# KiCad board EVE-3A keyboard.kicad_pcb
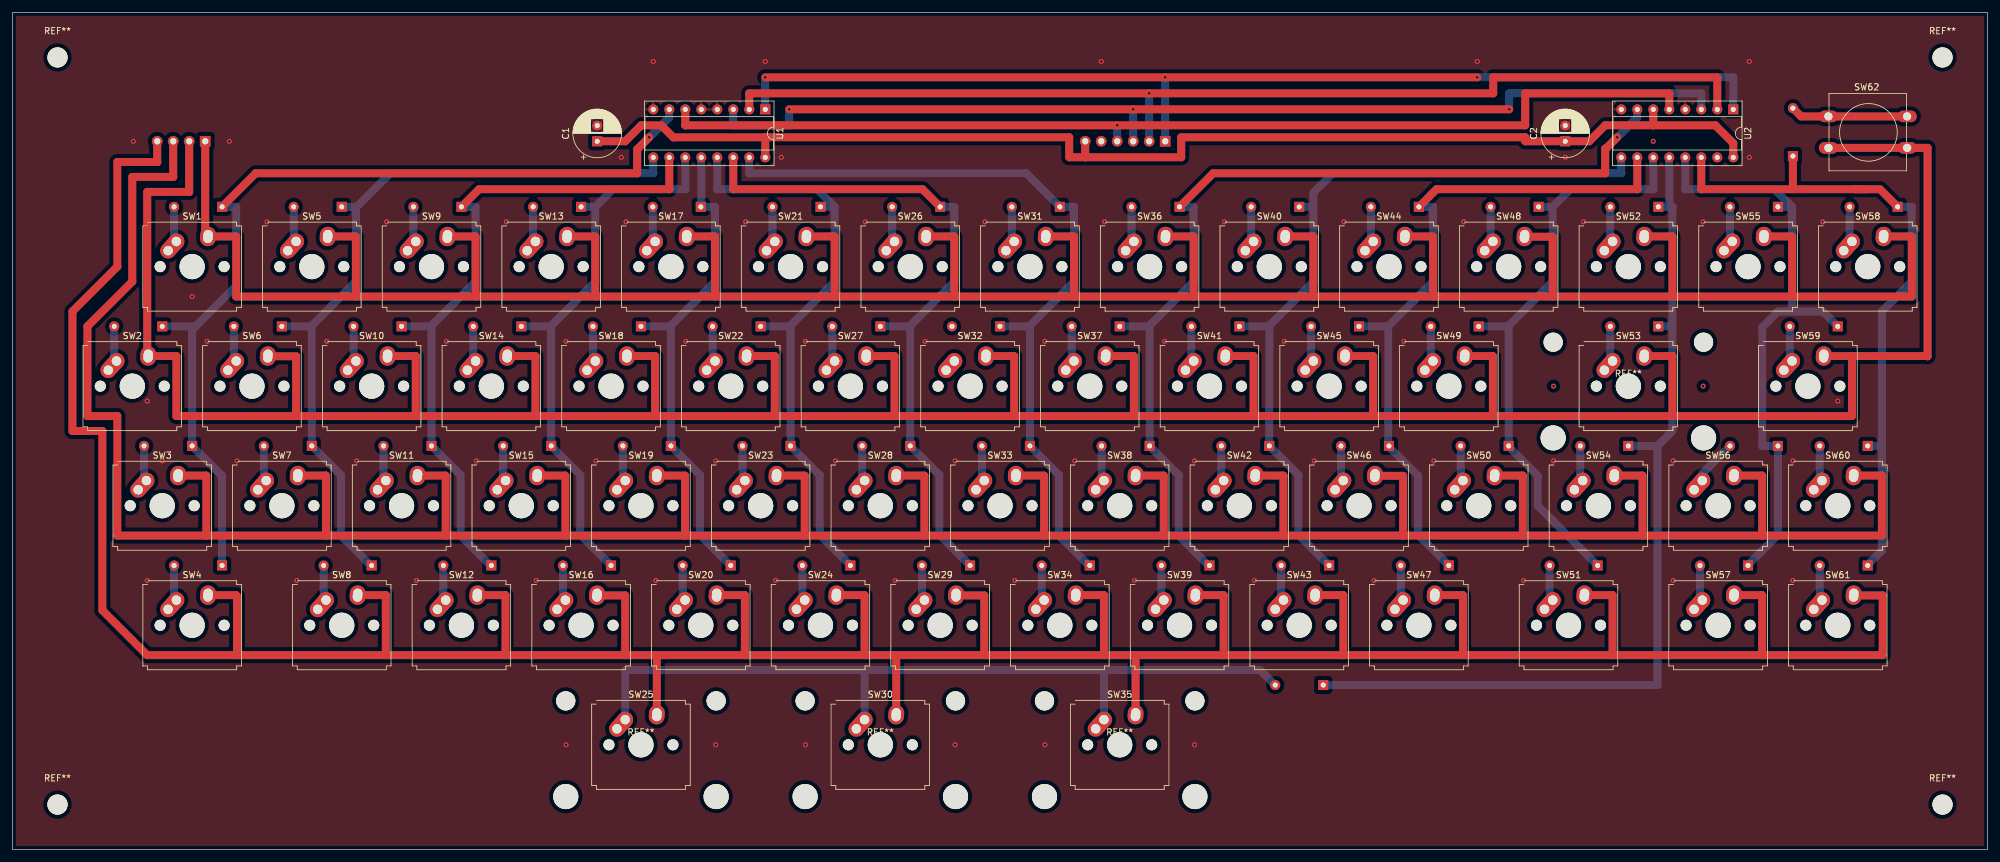
[diagram p0: board, top side]
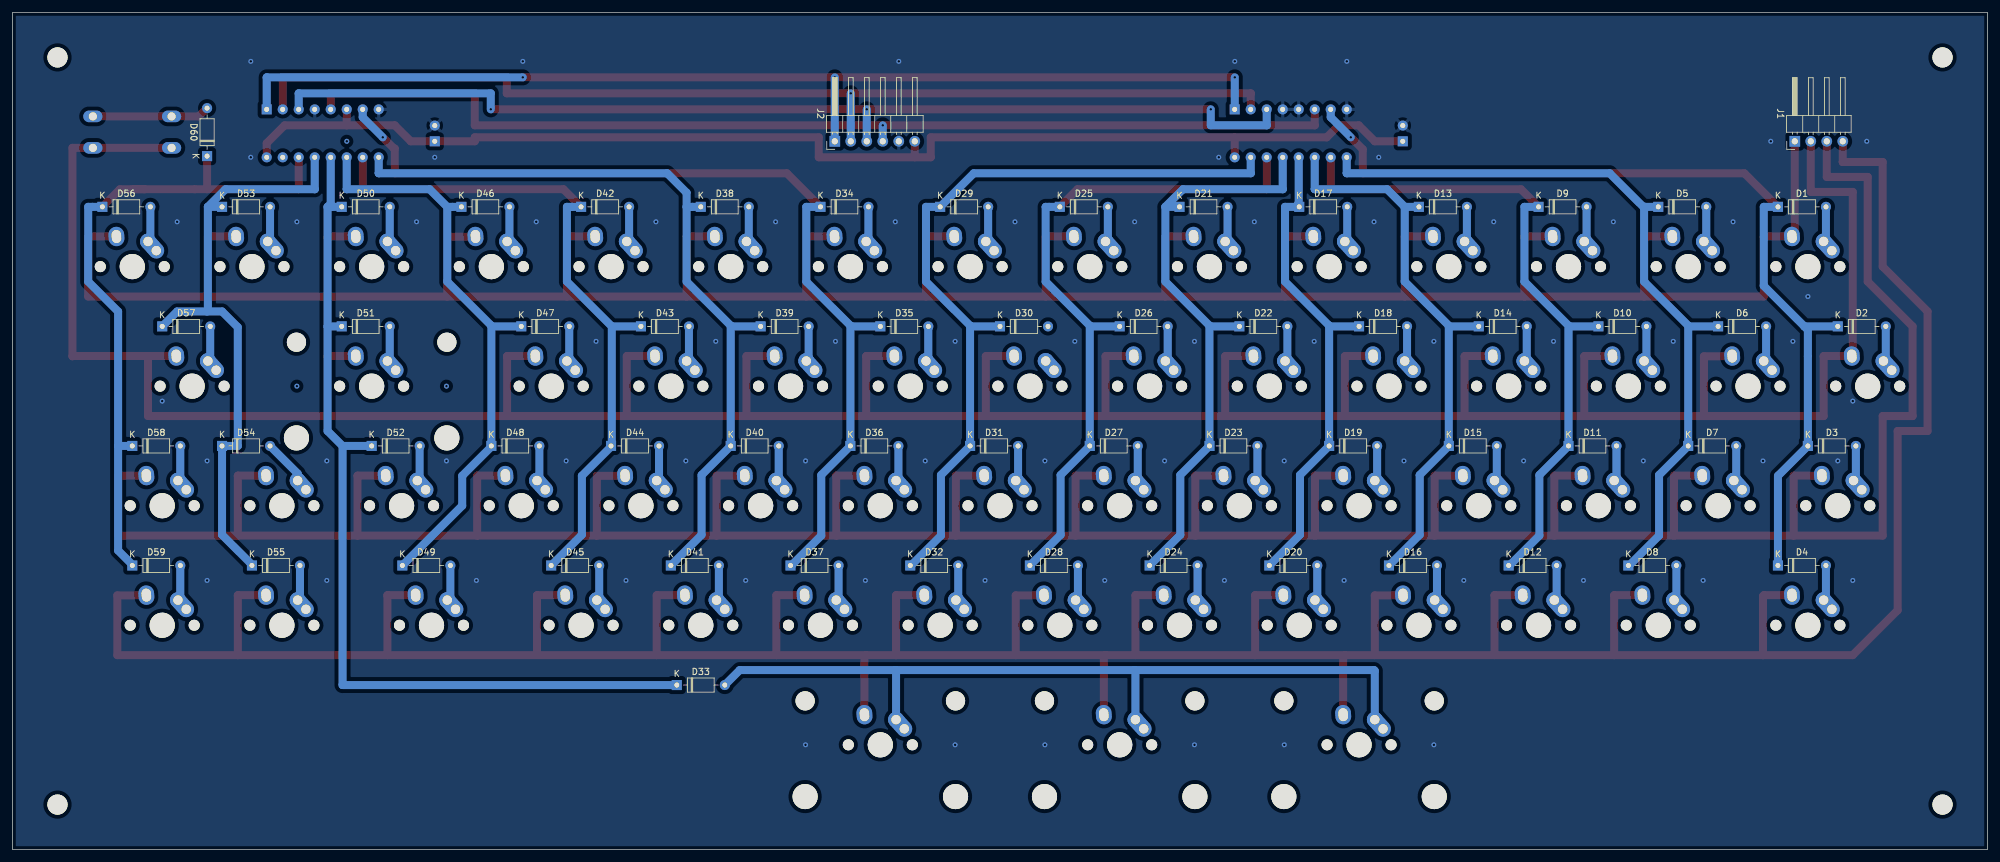
[diagram p1: board, bottom side, seen from below]

Outline 313.5 x 133 mm; copper layers: Top, Bottom. Coordinates in mm from the lower left corner of the outline.
Outline path: 0,133 0,0 313.5,0 313.5,133 0,133
Stack: Top 0.035mm / dielectric 1.51mm FR4 er 4.5 / Bottom 0.035mm

## Placement (name value [footprint] x y rotation side)
C1  C_Polarized  [CP_Radial_D7.5mm_P2.50mm]  92.81 112.54 90 top
C2  C_Polarized  [CP_Radial_D7.5mm_P2.50mm]  246.48 112.54 90 top
D1  1N4148  [D_DO-35_SOD27_P7.62mm_Horizontal]  33.25 102.12 180 bottom
D2  1N4148  [D_DO-35_SOD27_P7.62mm_Horizontal]  23.75 83.12 180 bottom
D3  1N4148  [D_DO-35_SOD27_P7.62mm_Horizontal]  28.5 64.12 180 bottom
D4  1N4148  [D_DO-35_SOD27_P7.62mm_Horizontal]  33.25 45.12 180 bottom
D5  1N4148  [D_DO-35_SOD27_P7.62mm_Horizontal]  52.25 102.12 180 bottom
D6  1N4148  [D_DO-35_SOD27_P7.62mm_Horizontal]  42.75 83.12 180 bottom
D7  1N4148  [D_DO-35_SOD27_P7.62mm_Horizontal]  47.5 64.12 180 bottom
D8  1N4148  [D_DO-35_SOD27_P7.62mm_Horizontal]  57 45.12 180 bottom
D9  1N4148  [D_DO-35_SOD27_P7.62mm_Horizontal]  71.25 102.12 180 bottom
D10  1N4148  [D_DO-35_SOD27_P7.62mm_Horizontal]  61.75 83.12 180 bottom
D11  1N4148  [D_DO-35_SOD27_P7.62mm_Horizontal]  66.5 64.12 180 bottom
D12  1N4148  [D_DO-35_SOD27_P7.62mm_Horizontal]  76 45.12 180 bottom
D13  1N4148  [D_DO-35_SOD27_P7.62mm_Horizontal]  90.25 102.12 180 bottom
D14  1N4148  [D_DO-35_SOD27_P7.62mm_Horizontal]  80.75 83.12 180 bottom
D15  1N4148  [D_DO-35_SOD27_P7.62mm_Horizontal]  85.5 64.12 180 bottom
D16  1N4148  [D_DO-35_SOD27_P7.62mm_Horizontal]  95 45.12 180 bottom
D17  1N4148  [D_DO-35_SOD27_P7.62mm_Horizontal]  109.25 102.12 180 bottom
D18  1N4148  [D_DO-35_SOD27_P7.62mm_Horizontal]  99.75 83.12 180 bottom
D19  1N4148  [D_DO-35_SOD27_P7.62mm_Horizontal]  104.5 64.12 180 bottom
D20  1N4148  [D_DO-35_SOD27_P7.62mm_Horizontal]  114 45.12 180 bottom
D21  1N4148  [D_DO-35_SOD27_P7.62mm_Horizontal]  128.25 102.12 180 bottom
D22  1N4148  [D_DO-35_SOD27_P7.62mm_Horizontal]  118.75 83.12 180 bottom
D23  1N4148  [D_DO-35_SOD27_P7.62mm_Horizontal]  123.5 64.12 180 bottom
D24  1N4148  [D_DO-35_SOD27_P7.62mm_Horizontal]  133 45.12 180 bottom
D25  1N4148  [D_DO-35_SOD27_P7.62mm_Horizontal]  147.25 102.12 180 bottom
D26  1N4148  [D_DO-35_SOD27_P7.62mm_Horizontal]  137.75 83.12 180 bottom
D27  1N4148  [D_DO-35_SOD27_P7.62mm_Horizontal]  142.5 64.12 180 bottom
D28  1N4148  [D_DO-35_SOD27_P7.62mm_Horizontal]  152 45.12 180 bottom
D29  1N4148  [D_DO-35_SOD27_P7.62mm_Horizontal]  166.25 102.12 180 bottom
D30  1N4148  [D_DO-35_SOD27_P7.62mm_Horizontal]  156.75 83.12 180 bottom
D31  1N4148  [D_DO-35_SOD27_P7.62mm_Horizontal]  161.5 64.12 180 bottom
D32  1N4148  [D_DO-35_SOD27_P7.62mm_Horizontal]  171 45.12 180 bottom
D33  1N4148  [D_DO-35_SOD27_P7.62mm_Horizontal]  208.06 26.12 180 bottom
D34  1N4148  [D_DO-35_SOD27_P7.62mm_Horizontal]  185.25 102.12 180 bottom
D35  1N4148  [D_DO-35_SOD27_P7.62mm_Horizontal]  175.75 83.12 180 bottom
D36  1N4148  [D_DO-35_SOD27_P7.62mm_Horizontal]  180.5 64.12 180 bottom
D37  1N4148  [D_DO-35_SOD27_P7.62mm_Horizontal]  190 45.12 180 bottom
D38  1N4148  [D_DO-35_SOD27_P7.62mm_Horizontal]  204.25 102.12 180 bottom
D39  1N4148  [D_DO-35_SOD27_P7.62mm_Horizontal]  194.75 83.12 180 bottom
D40  1N4148  [D_DO-35_SOD27_P7.62mm_Horizontal]  199.5 64.12 180 bottom
D41  1N4148  [D_DO-35_SOD27_P7.62mm_Horizontal]  209 45.12 180 bottom
D42  1N4148  [D_DO-35_SOD27_P7.62mm_Horizontal]  223.25 102.12 180 bottom
D43  1N4148  [D_DO-35_SOD27_P7.62mm_Horizontal]  213.75 83.12 180 bottom
D44  1N4148  [D_DO-35_SOD27_P7.62mm_Horizontal]  218.5 64.12 180 bottom
D45  1N4148  [D_DO-35_SOD27_P7.62mm_Horizontal]  228 45.12 180 bottom
D46  1N4148  [D_DO-35_SOD27_P7.62mm_Horizontal]  242.25 102.12 180 bottom
D47  1N4148  [D_DO-35_SOD27_P7.62mm_Horizontal]  232.75 83.12 180 bottom
D48  1N4148  [D_DO-35_SOD27_P7.62mm_Horizontal]  237.5 64.12 180 bottom
D49  1N4148  [D_DO-35_SOD27_P7.62mm_Horizontal]  251.62 45.12 180 bottom
D50  1N4148  [D_DO-35_SOD27_P7.62mm_Horizontal]  261.25 102.12 180 bottom
D51  1N4148  [D_DO-35_SOD27_P7.62mm_Horizontal]  261.25 83.12 180 bottom
D52  1N4148  [D_DO-35_SOD27_P7.62mm_Horizontal]  256.5 64.12 180 bottom
D53  1N4148  [D_DO-35_SOD27_P7.62mm_Horizontal]  280.25 102.12 180 bottom
D54  1N4148  [D_DO-35_SOD27_P7.62mm_Horizontal]  280.25 64.12 180 bottom
D55  1N4148  [D_DO-35_SOD27_P7.62mm_Horizontal]  275.5 45.12 180 bottom
D56  1N4148  [D_DO-35_SOD27_P7.62mm_Horizontal]  299.25 102.12 180 bottom
D57  1N4148  [D_DO-35_SOD27_P7.62mm_Horizontal]  289.75 83.12 180 bottom
D58  1N4148  [D_DO-35_SOD27_P7.62mm_Horizontal]  294.5 64.12 180 bottom
D59  1N4148  [D_DO-35_SOD27_P7.62mm_Horizontal]  294.5 45.12 180 bottom
D60  1N4148  [D_DO-35_SOD27_P7.62mm_Horizontal]  282.62 110.19 90 bottom
J1  Conn_01x04_Male  [PinHeader_1x04_P2.54mm_Horizontal]  30.58 112.54 90 bottom
J2  Conn_01x06_Male  [PinHeader_1x06_P2.54mm_Horizontal]  182.98 112.54 90 bottom
REF**  -  [MountingHole_3.2mm_M3]  306.38 125.88 0 top
REF**#2  -  [Stabilizer_Cherry_MX_2.00u]  99.75 16.62 0 top
REF**#3  -  [MountingHole_3.2mm_M3]  306.38 7.12 0 top
REF**#4  -  [Stabilizer_Cherry_MX_2.00u]  175.75 16.62 0 top
REF**#5  -  [Stabilizer_Cherry_MX_2.00u]  137.75 16.62 0 top
REF**#6  -  [MountingHole_3.2mm_M3]  7.12 125.88 0 top
REF**#7  -  [Stabilizer_Cherry_MX_2.00u]  256.5 73.62 0 top
REF**#8  -  [MountingHole_3.2mm_M3]  7.12 7.12 0 top
SW1  1  [SW_Hybrid_Cherry_MX_Alps_1.00u]  28.5 92.62 0 top
SW2  Esc  [SW_Hybrid_Cherry_MX_Alps_1.00u]  19 73.62 0 top
SW3  Ctrl  [SW_Hybrid_Cherry_MX_Alps_1.00u]  23.75 54.62 0 top
SW4  ShiftL  [SW_Hybrid_Cherry_MX_Alps_1.50u]  28.5 35.62 0 top
SW5  2  [SW_Hybrid_Cherry_MX_Alps_1.00u]  47.5 92.62 0 top
SW6  Q  [SW_Hybrid_Cherry_MX_Alps_1.00u]  38 73.62 0 top
SW7  A  [SW_Hybrid_Cherry_MX_Alps_1.00u]  42.75 54.62 0 top
SW8  Z  [SW_Hybrid_Cherry_MX_Alps_1.00u]  52.25 35.62 0 top
SW9  3  [SW_Hybrid_Cherry_MX_Alps_1.00u]  66.5 92.62 0 top
SW10  W  [SW_Hybrid_Cherry_MX_Alps_1.00u]  57 73.62 0 top
SW11  S  [SW_Hybrid_Cherry_MX_Alps_1.00u]  61.75 54.62 0 top
SW12  X  [SW_Hybrid_Cherry_MX_Alps_1.00u]  71.25 35.62 0 top
SW13  4  [SW_Hybrid_Cherry_MX_Alps_1.00u]  85.5 92.62 0 top
SW14  E  [SW_Hybrid_Cherry_MX_Alps_1.00u]  76 73.62 0 top
SW15  D  [SW_Hybrid_Cherry_MX_Alps_1.00u]  80.75 54.62 0 top
SW16  C  [SW_Hybrid_Cherry_MX_Alps_1.00u]  90.25 35.62 0 top
SW17  5  [SW_Hybrid_Cherry_MX_Alps_1.00u]  104.5 92.62 0 top
SW18  R  [SW_Hybrid_Cherry_MX_Alps_1.00u]  95 73.62 0 top
SW19  F  [SW_Hybrid_Cherry_MX_Alps_1.00u]  99.75 54.62 0 top
SW20  V  [SW_Hybrid_Cherry_MX_Alps_1.00u]  109.25 35.62 0 top
SW21  6  [SW_Hybrid_Cherry_MX_Alps_1.00u]  123.5 92.62 0 top
SW22  T  [SW_Hybrid_Cherry_MX_Alps_1.00u]  114 73.62 0 top
SW23  G  [SW_Hybrid_Cherry_MX_Alps_1.00u]  118.75 54.62 0 top
SW24  B  [SW_Hybrid_Cherry_MX_Alps_1.00u]  128.25 35.62 0 top
SW25  Space  [SW_Hybrid_Cherry_MX_Alps_2.00u]  99.75 16.62 0 top
SW26  7  [SW_Hybrid_Cherry_MX_Alps_1.00u]  142.5 92.62 0 top
SW27  Y  [SW_Hybrid_Cherry_MX_Alps_1.00u]  133 73.62 0 top
SW28  H  [SW_Hybrid_Cherry_MX_Alps_1.00u]  137.75 54.62 0 top
SW29  N  [SW_Hybrid_Cherry_MX_Alps_1.00u]  147.25 35.62 0 top
SW30  Space  [SW_Hybrid_Cherry_MX_Alps_2.00u]  137.75 16.62 0 top
SW31  8  [SW_Hybrid_Cherry_MX_Alps_1.00u]  161.5 92.62 0 top
SW32  U  [SW_Hybrid_Cherry_MX_Alps_1.00u]  152 73.62 0 top
SW33  J  [SW_Hybrid_Cherry_MX_Alps_1.00u]  156.75 54.62 0 top
SW34  M  [SW_Hybrid_Cherry_MX_Alps_1.00u]  166.25 35.62 0 top
SW35  Space  [SW_Hybrid_Cherry_MX_Alps_2.00u]  175.75 16.62 0 top
SW36  9  [SW_Hybrid_Cherry_MX_Alps_1.00u]  180.5 92.62 0 top
SW37  I  [SW_Hybrid_Cherry_MX_Alps_1.00u]  171 73.62 0 top
SW38  K  [SW_Hybrid_Cherry_MX_Alps_1.00u]  175.75 54.62 0 top
SW39  ,  [SW_Hybrid_Cherry_MX_Alps_1.00u]  185.25 35.62 0 top
SW40  0  [SW_Hybrid_Cherry_MX_Alps_1.00u]  199.5 92.62 0 top
SW41  O  [SW_Hybrid_Cherry_MX_Alps_1.00u]  190 73.62 0 top
SW42  L  [SW_Hybrid_Cherry_MX_Alps_1.00u]  194.75 54.62 0 top
SW43  .  [SW_Hybrid_Cherry_MX_Alps_1.00u]  204.25 35.62 0 top
SW44  :  [SW_Hybrid_Cherry_MX_Alps_1.00u]  218.5 92.62 0 top
SW45  P  [SW_Hybrid_Cherry_MX_Alps_1.00u]  209 73.62 0 top
SW46  ;  [SW_Hybrid_Cherry_MX_Alps_1.00u]  213.75 54.62 0 top
SW47  /  [SW_Hybrid_Cherry_MX_Alps_1.00u]  223.25 35.62 0 top
SW48  - =  [SW_Hybrid_Cherry_MX_Alps_1.00u]  237.5 92.62 0 top
SW49  LineFeed  [SW_Hybrid_Cherry_MX_Alps_1.00u]  228 73.62 0 top
SW50  @  [SW_Hybrid_Cherry_MX_Alps_1.00u]  232.75 54.62 0 top
SW51  ShiftR  [SW_Hybrid_Cherry_MX_Alps_1.50u]  247 35.62 0 top
SW52  [  [SW_Hybrid_Cherry_MX_Alps_1.00u]  256.5 92.62 0 top
SW53  Enter  [SW_Hybrid_Cherry_MX_Alps_2.00u]  256.5 73.62 0 top
SW54  \  [SW_Hybrid_Cherry_MX_Alps_1.00u]  251.75 54.62 0 top
SW55  ]  [SW_Hybrid_Cherry_MX_Alps_1.00u]  275.5 92.62 0 top
SW56  _ Rub  [SW_Hybrid_Cherry_MX_Alps_1.00u]  270.75 54.62 0 top
SW57  Repeat  [SW_Hybrid_Cherry_MX_Alps_1.00u]  270.75 35.62 0 top
SW58  ^ ~ Home  [SW_Hybrid_Cherry_MX_Alps_1.00u]  294.5 92.62 0 top
SW59  Here Is  [SW_Hybrid_Cherry_MX_Alps_1.00u]  285 73.62 0 top
SW60  Break  [SW_Hybrid_Cherry_MX_Alps_1.00u]  289.75 54.62 0 top
SW61  Clear  [SW_Hybrid_Cherry_MX_Alps_1.00u]  289.75 35.62 0 top
SW62  Special  [SW_PUSH-12mm]  288.26 116.5 0 top
U1  74LS138  [DIP-16_W7.62mm_Socket]  119.49 117.61 270 top
U2  74LS138  [DIP-16_W7.62mm_Socket]  273.16 117.61 270 top

## Footprints (pads in the part's own frame, mm; a bottom-side part is the same pattern mirrored in y, then rotated)
CP_Radial_D7.5mm_P2.50mm
  rect 1.6x1.6 hole 0.8: 1(0,0)
  round 1.6 hole 0.8: 2(2.5,0)
D_DO-35_SOD27_P7.62mm_Horizontal
  rect 1.6x1.6 hole 0.8: 1(0,0)
  oval 1.6x1.6 hole 0.8: 2(7.62,0)
DIP-16_W7.62mm_Socket
  rect 1.6x1.6 hole 0.8: 1(0,0)
  oval 1.6x1.6 hole 0.8: 2(0,-2.54) 3(0,-5.08) 4(0,-7.62) 5(0,-10.16) 6(0,-12.7) 7(0,-15.24) 8(0,-17.78) 9(7.62,-17.78) 10(7.62,-15.24) 11(7.62,-12.7) 12(7.62,-10.16) 13(7.62,-7.62) 14(7.62,-5.08) 15(7.62,-2.54) 16(7.62,0)
MountingHole_3.2mm_M3
  round 3.2 hole 3.2 unplated: (0,0)
PinHeader_1x04_P2.54mm_Horizontal
  rect 1.7x1.7 hole 1: 1(0,0)
  oval 1.7x1.7 hole 1: 2(0,-2.54) 3(0,-5.08) 4(0,-7.62)
PinHeader_1x06_P2.54mm_Horizontal
  rect 1.7x1.7 hole 1: 1(0,0)
  oval 1.7x1.7 hole 1: 2(0,-2.54) 3(0,-5.08) 4(0,-7.62) 5(0,-10.16) 6(0,-12.7)
Stabilizer_Cherry_MX_2.00u
  round 3.048 hole 3.048 unplated: (-11.938,6.985) (11.938,6.985)
  round 3.988 hole 3.988 unplated: (-11.938,-8.225) (11.938,-8.225)
SW_Hybrid_Cherry_MX_Alps_1.00u
  round 1.75 hole 1.75 unplated: (-5.08,0) (5.08,0)
  round 1.55 smd: (-3.81,2.54) (-2.5,4)
  round 4 hole 4 unplated: (0,0)
  oval 2.131x1.55 smd rot 86: (2.52,4.79)
  oval 4.462x2.5 hole 1.5 rot 48: 1(-3.81,2.54)
  round 2.5 hole 1.5: 1(-2.5,4)
  oval 3.081x2.5 hole 2.081x1.5 rot 86: 2(2.52,4.79)
SW_Hybrid_Cherry_MX_Alps_1.50u
  round 1.75 hole 1.75 unplated: (-5.08,0) (5.08,0)
  round 1.55 smd: (-3.81,2.54) (-2.5,4)
  round 4 hole 4 unplated: (0,0)
  oval 2.131x1.55 smd rot 86: (2.52,4.79)
  oval 4.462x2.5 hole 1.5 rot 48: 1(-3.81,2.54)
  round 2.5 hole 1.5: 1(-2.5,4)
  oval 3.081x2.5 hole 2.081x1.5 rot 86: 2(2.52,4.79)
SW_Hybrid_Cherry_MX_Alps_2.00u
  round 1.75 hole 1.75 unplated: (-5.08,0) (5.08,0)
  round 1.55 smd: (-3.81,2.54) (-2.5,4)
  round 4 hole 4 unplated: (0,0)
  oval 2.131x1.55 smd rot 86: (2.52,4.79)
  oval 4.462x2.5 hole 1.5 rot 48: 1(-3.81,2.54)
  round 2.5 hole 1.5: 1(-2.5,4)
  oval 3.081x2.5 hole 2.081x1.5 rot 86: 2(2.52,4.79)
SW_PUSH-12mm
  oval 3.048x1.85 hole 1.3: 1(0,0) 1(12.5,0) 2(0,-5) 2(12.5,-5)

## Nets
+3V3: C1.1 C2.1 J2.6 U1.16 U2.6 U2.16
GND: C1.2 C2.2 J2.5 U1.4 U1.5 U1.8 U2.4 U2.8
C0: J2.1 U1.1 U2.1
C1: J2.2 U1.2 U2.2
C2: J2.3 U1.3 U2.3
C3: J2.4 U1.6 U2.5
R0: J1.1 SW1.2 SW5.2 SW9.2 SW13.2 SW17.2 SW21.2 SW26.2 SW31.2 SW36.2 SW40.2 SW44.2 SW48.2 SW52.2 SW55.2 SW58.2
R1: J1.2 SW2.2 SW6.2 SW10.2 SW14.2 SW18.2 SW22.2 SW27.2 SW32.2 SW37.2 SW41.2 SW45.2 SW49.2 SW53.2 SW59.2 SW62.2
R2: J1.3 SW3.2 SW7.2 SW11.2 SW15.2 SW19.2 SW23.2 SW28.2 SW33.2 SW38.2 SW42.2 SW46.2 SW50.2 SW54.2 SW56.2 SW60.2
R3: J1.4 SW4.2 SW8.2 SW12.2 SW16.2 SW20.2 SW24.2 SW25.2 SW29.2 SW30.2 SW34.2 SW35.2 SW39.2 SW43.2 SW47.2 SW51.2 SW57.2 SW61.2
Net-(D1-Pad1): D1.1 D2.1 D3.1 D4.1 U1.7
Net-(D1-Pad2): D1.2 SW1.1
Net-(D2-Pad2): D2.2 SW2.1
Net-(D3-Pad2): D3.2 SW3.1
Net-(D4-Pad2): D4.2 SW4.1
Net-(D5-Pad1): D5.1 D6.1 D7.1 D8.1 U1.9
Net-(D5-Pad2): D5.2 SW5.1
Net-(D6-Pad2): D6.2 SW6.1
Net-(D7-Pad2): D7.2 SW7.1
Net-(D8-Pad2): D8.2 SW8.1
Net-(D9-Pad2): D9.2 SW9.1
Net-(D10-Pad1): D9.1 D10.1 D11.1 D12.1 U1.10
Net-(D10-Pad2): D10.2 SW10.1
Net-(D11-Pad2): D11.2 SW11.1
Net-(D12-Pad2): D12.2 SW12.1
Net-(D13-Pad1): D13.1 D14.1 D15.1 D16.1 U1.11
Net-(D13-Pad2): D13.2 SW13.1
Net-(D14-Pad2): D14.2 SW14.1
Net-(D15-Pad2): D15.2 SW15.1
Net-(D16-Pad2): D16.2 SW16.1
Net-(D17-Pad1): D17.1 D18.1 D19.1 D20.1 U1.12
Net-(D17-Pad2): D17.2 SW17.1
Net-(D18-Pad2): D18.2 SW18.1
Net-(D19-Pad2): D19.2 SW19.1
Net-(D20-Pad2): D20.2 SW20.1
Net-(D21-Pad1): D21.1 D22.1 D23.1 D24.1 U1.13
Net-(D21-Pad2): D21.2 SW21.1
Net-(D22-Pad2): D22.2 SW22.1
Net-(D23-Pad2): D23.2 SW23.1
Net-(D24-Pad2): D24.2 SW24.1
Net-(D25-Pad1): D25.1 D26.1 D27.1 D28.1 U1.14
Net-(D25-Pad2): D25.2 SW26.1
Net-(D26-Pad2): D26.2 SW27.1
Net-(D27-Pad2): D27.2 SW28.1
Net-(D28-Pad2): D28.2 SW29.1
Net-(D29-Pad1): D29.1 D30.1 D31.1 D32.1 U1.15
Net-(D29-Pad2): D29.2 SW31.1
Net-(D30-Pad2): D30.2 SW32.1
Net-(D31-Pad2): D31.2 SW33.1
Net-(D32-Pad2): D32.2 SW34.1
Net-(D33-Pad1): D33.1 D50.1 D51.1 D52.1 U2.12
Net-(D33-Pad2): D33.2 SW25.1 SW30.1 SW35.1
Net-(D34-Pad1): D34.1 D35.1 D36.1 D37.1 U2.7
Net-(D34-Pad2): D34.2 SW36.1
Net-(D35-Pad2): D35.2 SW37.1
Net-(D36-Pad2): D36.2 SW38.1
Net-(D37-Pad2): D37.2 SW39.1
Net-(D38-Pad1): D38.1 D39.1 D40.1 D41.1 U2.9
Net-(D38-Pad2): D38.2 SW40.1
Net-(D39-Pad2): D39.2 SW41.1
Net-(D40-Pad2): D40.2 SW42.1
Net-(D41-Pad2): D41.2 SW43.1
Net-(D42-Pad1): D42.1 D43.1 D44.1 D45.1 U2.10
Net-(D42-Pad2): D42.2 SW44.1
Net-(D43-Pad2): D43.2 SW45.1
Net-(D44-Pad2): D44.2 SW46.1
Net-(D45-Pad2): D45.2 SW47.1
Net-(D46-Pad1): D46.1 D47.1 D48.1 D49.1 U2.11
Net-(D46-Pad2): D46.2 SW48.1
Net-(D47-Pad2): D47.2 SW49.1
Net-(D48-Pad2): D48.2 SW50.1
Net-(D49-Pad2): D49.2 SW51.1
Net-(D50-Pad2): D50.2 SW52.1
Net-(D51-Pad2): D51.2 SW53.1
Net-(D52-Pad2): D52.2 SW54.1
Net-(D53-Pad1): D53.1 D54.1 D55.1 D57.1 U2.13
Net-(D53-Pad2): D53.2 SW55.1
Net-(D54-Pad2): D54.2 SW56.1
Net-(D55-Pad2): D55.2 SW57.1
Net-(D56-Pad1): D56.1 D58.1 D59.1 D60.1 U2.14
Net-(D56-Pad2): D56.2 SW58.1
Net-(D57-Pad2): D57.2 SW59.1
Net-(D58-Pad2): D58.2 SW60.1
Net-(D59-Pad2): D59.2 SW61.1
Net-(D60-Pad2): D60.2 SW62.1

Pads without a net: U2 15

## Via types
v1: diameter 0.8, hole 0.4, Top to Bottom, 87 vias

## Routing (per net, layer and track width the routed paths; a pad name or vN(x,y) marks a point on that pad's centre or on a via; arc(x,y) is an arc through that point)
+3V3: length 201.9
  Top w1.27: 260.46,115.09 260.45,115.09 270.31,115.09 273.16,112.24 U2.16 ; 260.46,115.09 U2.6 ; 260.46,115.09 252.84,115.09 250.29,112.54 C2.1 240.13,112.54 240.13,113.18 185.52,113.18 185.52,110 170.28,110 ; 170.28,110 J2.6 ; 170.28,110 167.74,110 167.74,113.18 119.48,113.18 119.49,113.17 ; 119.49,113.17 U1.16 ; 119.49,113.17 104.88,113.17 102.97,115.09 99.79,115.09 97.25,112.54 C1.1
GND:
  vias: v1(19.15,112.54) v1(21.38,71.25) v1(21.38,42.75) v1(23.75,61.75) v1(28.5,87.88) v1(30.88,80.75) v1(34.39,112.54) v1(35.62,61.75) v1(40.38,99.75) v1(45.12,42.75) v1(49.88,80.75) v1(54.62,61.75) v1(59.38,99.75) v1(64.12,42.75) v1(68.88,80.75) v1(73.62,61.75) v1(78.38,99.75) v1(83.12,42.75) v1(87.88,80.75) v1(87.88,16.62) v1(92.62,61.75) v1(96.62,110) v1(97.38,99.75) v1(101.7,125.25) v1(102.12,42.75) v1(106.88,80.75) v1(111.62,61.75) v1(111.62,16.62) v1(116.38,99.75) v1(119.48,125.25) v1(121.12,42.75) v1(122.02,110) v1(125.88,80.75) v1(125.88,16.62) v1(130.62,61.75) v1(135.38,99.75) v1(140.12,42.75) v1(144.88,80.75) v1(149.62,61.75) v1(149.62,16.62) v1(154.38,99.75) v1(159.12,42.75) v1(163.88,80.75) v1(163.88,16.62) v1(168.62,61.75) v1(172.82,125.25) v1(173.38,99.75) v1(178.12,42.75) v1(182.88,80.75) v1(187.62,61.75) v1(187.62,16.62) v1(192.38,99.75) v1(197.12,42.75) v1(201.88,80.75) v1(206.62,61.75) v1(211.38,99.75) v1(216.12,42.75) v1(220.88,80.75) v1(225.62,61.75) v1(230.38,99.75) v1(232.51,125.25) v1(239.88,42.75) v1(244.62,61.75) v1(246.48,110) v1(249.38,99.75) v1(263.62,61.75) v1(263.62,42.75) v1(268.38,99.75) v1(275.69,125.25) v1(275.69,110) v1(282.62,61.75) v1(282.62,42.75) v1(287.38,99.75) v1(289.75,71.25)
(no net):
  vias: v1(244.62,73.62) v1(260.45,112.54) v1(268.38,73.62)
C0: length 174
  Top w1.27: v1(119.48,122.7) v1(182.98,122.7) v1(232.51,122.7)
  Bottom w1.27: v1(232.51,122.7) 273.15,122.7 273.16,122.69 U2.1 ; v1(119.48,122.7) 119.48,117.62 U1.1 ; J2.1 v1(182.98,122.7)
C1: length 171.5
  Top w1.27: U2.2 270.62,122.69 270.61,122.7 235.05,122.7 235.05,120.17 v1(180.44,120.17) 116.94,120.17 116.95,120.16 116.95,117.61
  Bottom w1.27: J2.2 v1(180.44,120.17)
C2: length 168.9
  Top w1.27: v1(237.59,117.62) v1(177.9,117.62) v1(123.29,117.62)
  Bottom w1.27: U1.3 114.41,115.09 114.4,115.09 123.29,115.09 v1(123.29,117.62) ; v1(237.59,117.62) 237.59,120.17 268.07,120.17 268.08,120.16 U2.3 ; v1(177.9,117.62) 177.9,112.54
C3: length 168.9
  Top w1.27: 106.79,117.61 106.79,115.09 106.78,115.09 v1(175.36,115.09) 240.13,115.09 240.13,120.17 262.99,120.17 263,120.16 U2.5
  Bottom w1.27: v1(175.36,115.09) 175.36,112.54
R0: length 491.3
  Top w1.27: SW9.2 73.46,97.41 73.5,97.38 73.5,87.88 ; 187.5,87.88 168.5,87.88 ; 187.5,87.88 187.5,97.38 187.46,97.41 SW36.2 ; 187.5,87.88 206.5,87.88 ; 168.5,87.88 149.5,87.88 ; 168.5,87.88 168.5,97.38 168.46,97.41 SW31.2 ; 130.5,87.88 111.5,87.88 ; 130.5,87.88 130.5,97.38 130.46,97.41 SW21.2 ; 130.5,87.88 149.5,87.88 ; 111.5,87.88 92.5,87.88 ; 111.5,87.88 111.5,97.38 111.46,97.41 SW17.2 ; SW58.2 301.46,97.41 301.5,97.38 301.5,87.88 282.5,87.88 ; 263.5,87.88 244.5,87.88 ; 263.5,87.88 282.5,87.88 ; 263.5,87.88 263.5,97.38 263.46,97.41 SW52.2 ; 244.5,87.88 225.5,87.88 ; 244.5,87.88 244.5,97.38 240.37,97.38 240.33,97.41 SW48.2 ; J1.1 30.58,97.85 SW1.2 35.46,97.41 35.5,97.38 35.5,87.88 54.5,87.88 ; 92.5,87.88 92.5,97.38 92.46,97.41 SW13.2 ; 92.5,87.88 73.5,87.88 ; 73.5,87.88 54.5,87.88 ; 54.5,87.88 54.5,97.38 54.46,97.41 SW5.2 ; SW44.2 225.46,97.41 225.5,97.38 225.5,87.88 ; 149.5,87.88 149.5,97.38 149.46,97.41 SW26.2 ; 282.5,87.88 282.5,97.38 282.46,97.41 SW55.2 ; 225.5,87.88 206.5,87.88 ; 206.5,87.88 206.5,97.38 206.46,97.41 SW40.2
R1: length 563.7
  Top w1.27: 178,68.88 159,68.88 ; 178,68.88 197,68.88 ; 178,68.88 178,78.38 177.96,78.41 SW37.2 ; 159,68.88 121,68.88 ; 159,68.88 159,78.38 158.96,78.41 SW32.2 ; SW59.2 291.96,78.41 ; 291.96,78.41 303.96,78.41 304,78.38 304,111.5 SW62.2 SW62.2 ; 291.96,78.41 292,78.38 292,68.88 263.5,68.88 ; 197,68.88 197,78.38 196.96,78.41 SW41.2 ; 197,68.88 216,68.88 ; 64,68.88 45,68.88 ; 64,68.88 64,78.38 63.96,78.41 SW10.2 ; 64,68.88 83,68.88 ; 45,68.88 26,68.88 26,78.38 25.96,78.41 SW2.2 21.38,78.56 21.38,104.5 28.04,104.5 28.04,112.54 ; 45,68.88 45,78.38 40.87,78.38 40.83,78.41 SW6.2 ; 83,68.88 83,78.38 82.96,78.41 SW14.2 ; 83,68.88 102,68.88 ; 121,68.88 121,78.38 120.96,78.41 SW22.2 ; 121,68.88 102,68.88 ; 102,68.88 102,78.38 101.96,78.41 SW18.2 ; 263.5,68.88 235,68.88 ; 263.5,68.88 263.5,78.38 263.46,78.41 SW53.2 ; 235,68.88 216,68.88 ; 235,68.88 235,78.38 234.96,78.41 SW49.2 ; 216,68.88 216,78.38 215.96,78.41 SW45.2 ; 140,68.88 140,78.38 139.96,78.41 SW27.2
R2: length 566.9
  Top w1.27: 182.75,49.88 182.75,59.38 182.71,59.41 SW38.2 ; 182.75,49.88 201.75,49.88 ; 182.75,49.88 163.75,49.88 ; SW33.2 163.71,59.41 163.75,59.38 163.75,49.88 ; 277.75,49.88 296.75,49.88 296.75,59.38 296.71,59.41 SW60.2 ; 277.75,49.88 258.75,49.88 ; 277.75,49.88 277.75,59.38 277.71,59.41 SW56.2 ; 49.75,49.88 49.75,59.38 49.71,59.41 SW7.2 ; 49.75,49.88 68.75,49.88 ; 49.75,49.88 30.75,49.88 ; SW19.2 106.71,59.41 106.75,59.38 106.75,49.88 ; 220.75,49.88 239.75,49.88 ; 220.75,49.88 220.75,59.38 216.62,59.38 216.58,59.41 SW46.2 ; 220.75,49.88 201.75,49.88 ; 239.75,49.88 239.75,59.38 239.71,59.41 SW50.2 ; 239.75,49.88 258.75,49.88 ; SW23.2 125.71,59.41 125.75,59.38 125.75,49.88 ; 258.75,49.88 258.75,59.38 258.71,59.41 SW54.2 ; 106.75,49.88 125.75,49.88 ; 106.75,49.88 87.75,49.88 ; 125.75,49.88 144.75,49.88 ; 30.75,49.88 30.75,59.38 30.71,59.41 SW3.2 ; 30.75,49.88 16.62,49.88 16.62,68.88 11.88,68.88 11.88,83.12 19,90.25 19,106.88 25.5,106.88 J1.3 ; 144.75,49.88 163.75,49.88 ; 144.75,49.88 144.75,59.38 144.71,59.41 SW28.2 ; 68.75,49.88 68.75,59.38 68.71,59.41 SW11.2 ; 68.75,49.88 87.75,49.88 ; 201.75,49.88 201.75,59.38 201.71,59.41 SW42.2 ; SW15.2 87.71,59.41 87.75,59.38 87.75,49.88
R3: length 599.1
  Top w1.27: 102,30.88 102.27,30.6 SW25.2 ; 102,30.88 116.25,30.88 ; 102,30.88 59.25,30.88 ; 178,30.88 178.27,30.6 SW35.2 ; 178,30.88 173.25,30.88 ; 178,30.88 192.25,30.88 ; 173.25,30.88 154.25,30.88 ; 173.25,30.88 173.25,40.38 173.21,40.41 SW34.2 ; 35.62,30.88 59.25,30.88 ; 35.62,30.88 35.62,40.25 35.46,40.41 SW4.2 31.06,40.38 ; 35.62,30.88 21.38,30.88 14.25,38 14.25,66.5 9.5,66.5 9.5,85.5 16.62,92.62 16.62,109.25 22.96,109.25 22.95,109.26 22.96,109.27 J1.4 ; 59.25,30.88 59.25,40.38 59.21,40.41 SW8.2 54.81,40.38 ; SW29.2 150.08,40.41 150.12,40.38 154.25,40.38 154.25,30.88 ; 116.25,30.88 116.25,40.38 116.21,40.41 SW20.2 ; 116.25,30.88 140,30.88 ; 277.75,30.88 277.75,40.38 277.71,40.41 SW57.2 ; 277.75,30.88 254,30.88 ; 277.75,30.88 296.88,30.88 296.88,40.38 292.31,40.38 SW61.2 ; 78.25,30.88 78.25,40.38 78.21,40.41 SW12.2 ; 211.25,30.88 254,30.88 ; 211.25,30.88 192.25,30.88 ; 211.25,30.88 211.25,40.38 211.21,40.41 SW43.2 ; 254,30.88 254,40.38 253.96,40.41 SW51.2 ; 154.25,30.88 140,30.88 ; 192.25,30.88 192.25,40.38 192.21,40.41 SW39.2 ; 135.25,30.88 135.25,40.38 135.21,40.41 SW24.2 ; SW30.2 140.27,30.6 140,30.88 ; SW47.2 230.21,40.41 230.25,40.38 230.25,30.88 ; 97.25,30.88 97.25,40.38 93.12,40.38 93.08,40.41 SW16.2
Net-(D1-Pad1): length 149.8
  Top w1.27: D1.1 38.59,107.47 99.16,107.47 99.16,111.28 v1(101.06,113.18)
  Bottom w1.27: U1.7 104.25,116.37 v1(101.06,113.18) ; D2.1 29.06,83.12 ; 29.06,83.12 28.5,82.57 D3.1 33.25,59.38 D4.1 ; 29.06,83.12 35.5,89.57 35.5,102.12 D1.1
Net-(D1-Pad2): length 5.7
  Bottom w1.27: D1.2 25.63,97 SW1.1
Net-(D2-Pad2): length 5.7
  Bottom w1.27: SW2.1 16.13,78 D2.2
Net-(D3-Pad2): length 5.7
  Bottom w1.27: D3.2 20.88,59 SW3.1
Net-(D4-Pad2): length 5.7
  Bottom w1.27: D4.2 25.63,40 SW4.1
Net-(D5-Pad1): length 123
  Bottom w1.27: U1.9 101.71,107.47 101.7,107.47 59.97,107.47 54.5,102 ; 54.5,102 54.5,102.12 ; 54.5,102 54.5,90.25 47.5,83.25 ; 54.5,102.12 54.5,102.18 ; 54.5,102.12 D5.1 ; D6.1 47.38,83.12 47.5,83.25 ; 47.5,83.25 D7.1 52.12,59.5 52.12,49.88 56.88,45.12 D8.1
Net-(D5-Pad2): length 5.7
  Bottom w1.27: D5.2 44.63,97 SW5.1
Net-(D6-Pad2): length 5.7
  Bottom w1.27: D6.2 35.13,78 SW6.1
Net-(D7-Pad2): length 5.7
  Bottom w1.27: D7.2 39.88,59 SW7.1
Net-(D8-Pad2): length 5.7
  Bottom w1.27: D8.2 49.38,40 SW8.1
Net-(D9-Pad2): length 5.7
  Bottom w1.27: SW9.1 63.63,97 D9.2
Net-(D10-Pad1): length 110.2
  Top w1.27: D9.1 74.05,104.93 104.24,104.93 104.25,104.94 U1.10
  Bottom w1.27: 66.5,83.25 66.38,83.12 D10.1 ; 66.5,83.25 D11.1 71.12,59.5 71.12,49.88 75.88,45.12 D12.1 ; 66.5,83.25 73.5,90.25 73.5,102.12 D9.1
Net-(D10-Pad2): length 5.7
  Bottom w1.27: SW10.1 54.13,78 D10.2
Net-(D11-Pad2): length 5.7
  Bottom w1.27: D11.2 58.88,59 SW11.1
Net-(D12-Pad2): length 5.7
  Bottom w1.27: SW12.1 68.38,40 D12.2
Net-(D13-Pad1): length 91.3
  Bottom w1.27: 85.38,83.12 85.5,83 D15.1 90.12,59.5 90.12,50 D16.1 ; 85.38,83.12 D14.1 ; 85.38,83.12 92.5,90.25 92.5,102.12 ; D13.1 92.5,102.12 ; 92.5,102.12 95.3,104.93 106.78,104.93 106.79,104.94 106.79,110
Net-(D13-Pad2): length 5.7
  Bottom w1.27: SW13.1 82.63,97 D13.2
Net-(D14-Pad2): length 5.7
  Bottom w1.27: SW14.1 73.13,78 D14.2
Net-(D15-Pad2): length 5.7
  Bottom w1.27: D15.2 77.88,59 SW15.1
Net-(D16-Pad2): length 5.7
  Bottom w1.27: D16.2 87.38,40 SW16.1
Net-(D17-Pad1): length 78.8
  Bottom w1.27: 104.5,83.25 111.5,90.25 111.5,102.12 D17.1 109.33,102.21 U1.12 ; 104.5,83.25 D19.1 109.12,59.5 109.12,50 D20.1 ; 104.5,83.25 104.38,83.12 D18.1
Net-(D17-Pad2): length 5.7
  Bottom w1.27: D17.2 101.63,97 SW17.1
Net-(D18-Pad2): length 5.7
  Bottom w1.27: D18.2 92.13,78 SW18.1
Net-(D19-Pad2): length 5.7
  Bottom w1.27: D19.2 96.88,59 SW19.1
Net-(D20-Pad2): length 5.7
  Bottom w1.27: D20.2 106.38,40 SW20.1
Net-(D21-Pad1): length 95.8
  Bottom w1.27: 123.5,83.25 123.38,83.12 D22.1 ; 123.5,83.25 D23.1 128.12,59.5 128.12,50 D24.1 ; 123.5,83.25 130.5,90.25 130.5,102.12 ; U1.13 111.87,104.94 111.86,104.93 127.7,104.93 130.5,102.12 ; 130.5,102.12 D21.1
Net-(D21-Pad2): length 5.7
  Bottom w1.27: SW21.1 120.63,97 D21.2
Net-(D22-Pad2): length 5.7
  Bottom w1.27: D22.2 111.13,78 SW22.1
Net-(D23-Pad2): length 5.7
  Bottom w1.27: D23.2 115.88,59 SW23.1
Net-(D24-Pad2): length 5.7
  Bottom w1.27: SW24.1 125.38,40 D24.2
Net-(D25-Pad1): length 110
  Top w1.27: D25.1 144.45,104.93 114.4,104.93 114.41,104.94 U1.14
  Bottom w1.27: 142.5,83.25 142.38,83.12 D26.1 ; 142.5,83.25 D27.1 147.12,59.5 147.12,50 D28.1 ; 142.5,83.25 149.5,90.25 149.5,102.12 D25.1
Net-(D25-Pad2): length 5.7
  Bottom w1.27: SW26.1 139.63,97 D25.2
Net-(D26-Pad2): length 5.7
  Bottom w1.27: D26.2 130.13,78 SW27.1
Net-(D27-Pad2): length 5.7
  Bottom w1.27: D27.2 134.88,59 SW28.1
Net-(D28-Pad2): length 5.7
  Bottom w1.27: SW29.1 144.38,40 D28.2
Net-(D29-Pad1): length 125
  Bottom w1.27: 161.5,83.25 168.5,90.25 168.5,102.12 D29.1 160.91,107.47 116.94,107.47 116.95,107.47 116.95,110 ; 161.5,83.25 161.38,83.12 D30.1 ; 161.5,83.25 D31.1 166.12,59.5 166.12,49.88 170.88,45.12 D32.1
Net-(D29-Pad2): length 5.7
  Bottom w1.27: SW31.1 158.63,97 D29.2
Net-(D31-Pad2): length 5.7
  Bottom w1.27: D31.2 153.88,59 SW33.1
Net-(D32-Pad2): length 5.7
  Bottom w1.27: D32.2 163.38,40 SW34.1
Net-(D33-Pad1): length 147.3
  Bottom w1.27: U2.12 263,102.62 263.5,102.12 ; D52.1 261.12,64.12 ; 261.12,64.12 263.5,66.5 263.5,83.12 ; 261.12,64.12 261.12,26.12 D33.1 ; 263.5,102.12 D50.1 ; 263.5,102.12 263.5,83.12 ; 263.5,83.12 D51.1
Net-(D33-Pad2): length 127.8
  Bottom w1.27: D33.2 198.06,28.5 173.38,28.5 ; SW30.1 135.25,28.38 135.38,28.5 ; SW25.1 97.25,28.38 97.38,28.5 135.38,28.5 ; 173.38,28.5 135.38,28.5 ; 173.38,28.5 173.25,28.38 SW35.1
Net-(D34-Pad1): length 153.1
  Top w1.27: D34.1 190.59,107.47 252.83,107.47 252.83,111.39 252.95,111.39 v1(254.74,113.18)
  Bottom w1.27: 180.5,83.25 187.5,90.25 187.5,102.12 D34.1 ; 180.5,83.25 D36.1 185.12,59.5 185.12,49.88 189.88,45.12 D37.1 ; 180.5,83.25 180.38,83.12 D35.1 ; U2.7 257.92,116.37 v1(254.74,113.18)
Net-(D34-Pad2): length 5.7
  Bottom w1.27: D34.2 177.63,97 SW36.1
Net-(D35-Pad2): length 5.7
  Bottom w1.27: SW37.1 168.13,78 D35.2
Net-(D36-Pad2): length 5.7
  Bottom w1.27: D36.2 172.88,59 SW38.1
Net-(D37-Pad2): length 5.7
  Bottom w1.27: SW39.1 182.38,40 D37.2
Net-(D38-Pad1): length 125.8
  Bottom w1.27: D39.1 199.38,83.12 199.5,83.25 ; 199.5,83.25 206.5,90.25 206.5,102.12 ; 199.5,83.25 D40.1 204.12,59.5 204.12,50 D41.1 ; 206.5,102.12 D38.1 ; 206.5,102.12 206.5,104.38 209.59,107.47 255.37,107.47 255.38,107.47 U2.9
Net-(D38-Pad2): length 5.7
  Bottom w1.27: D38.2 196.63,97 SW40.1
Net-(D39-Pad2): length 5.7
  Bottom w1.27: D39.2 187.13,78 SW41.1
Net-(D40-Pad2): length 5.7
  Bottom w1.27: SW42.1 191.88,59 D40.2
Net-(D41-Pad2): length 5.7
  Bottom w1.27: SW43.1 201.38,40 D41.2
Net-(D42-Pad1): length 111.7
  Top w1.27: U2.10 257.92,104.94 257.91,104.93 226.05,104.93 D42.1
  Bottom w1.27: 218.38,83.12 225.5,90.25 225.5,102.12 D42.1 ; 218.38,83.12 218.38,64.12 223.12,59.38 223.12,50 D45.1 ; 218.38,83.12 D43.1
Net-(D42-Pad2): length 5.7
  Bottom w1.27: D42.2 215.63,97 SW44.1
Net-(D43-Pad2): length 5.7
  Bottom w1.27: SW45.1 206.13,78 D43.2
Net-(D44-Pad2): length 5.7
  Bottom w1.27: SW46.1 210.88,59 D44.2
Net-(D45-Pad2): length 5.7
  Bottom w1.27: D45.2 220.38,40 SW47.1
Net-(D46-Pad1): length 95
  Bottom w1.27: 237.5,83.25 237.38,83.12 D47.1 ; 237.5,83.25 244.5,90.25 244.5,102.12 ; 237.5,83.25 D48.1 237.5,64 242.12,59.38 242.12,54.62 D49.1 ; 244.5,102.12 D46.1 ; 244.5,102.12 247.3,104.93 260.45,104.93 260.46,104.94 U2.11
Net-(D46-Pad2): length 5.7
  Bottom w1.27: D46.2 234.63,97 SW48.1
Net-(D47-Pad2): length 5.7
  Bottom w1.27: SW49.1 225.13,78 D47.2
Net-(D48-Pad2): length 5.7
  Bottom w1.27: D48.2 229.88,59 SW50.1
Net-(D49-Pad2): length 5.7
  Bottom w1.27: D49.2 244,40.12 SW51.1
Net-(D50-Pad2): length 5.7
  Bottom w1.27: D50.2 253.63,97 SW52.1
Net-(D51-Pad2): length 5.7
  Bottom w1.27: SW53.1 253.63,78 D51.2
Net-(D52-Pad2): length 5.7
  Bottom w1.27: D52.2 248.88,59 SW54.1
Net-(D53-Pad1): length 98.5
  Bottom w1.27: 282.62,85.5 287.38,85.5 D57.1 ; 282.62,85.5 282.5,85.62 282.5,102.12 ; 282.62,85.5 280.25,85.5 277.75,83 277.75,64.12 D54.1 280.25,50 275.5,45.25 D55.1 ; 282.5,102.12 279.7,104.93 265.53,104.93 265.54,104.94 U2.13 ; 282.5,102.12 D53.1
Net-(D53-Pad2): length 5.7
  Bottom w1.27: SW55.1 272.63,97 D53.2
Net-(D54-Pad2): length 7.3
  Bottom w1.27: D54.2 268.25,59.75 SW56.1
Net-(D55-Pad2): length 5.7
  Bottom w1.27: SW57.1 267.88,40 D55.2
Net-(D56-Pad1): length 109
  Top w1.27: 292.55,104.93 296.45,104.93 D56.1 ; 292.55,104.93 268.07,104.93 268.08,104.94 U2.14 ; 292.55,104.93 294.5,104.93 ; D60.1 282.62,104.93
  Bottom w1.27: D59.1 294.5,45.25 296.75,47.5 296.75,64.12 ; 296.75,64.12 D58.1 ; 296.75,64.12 296.75,85.5 301.5,90.25 301.5,102.12 D56.1
Net-(D56-Pad2): length 5.7
  Bottom w1.27: SW58.1 291.63,97 D56.2
Net-(D57-Pad2): length 5.7
  Bottom w1.27: SW59.1 282.13,78 D57.2
Net-(D58-Pad2): length 5.7
  Bottom w1.27: D58.2 286.88,59 SW60.1
Net-(D59-Pad2): length 5.7
  Bottom w1.27: D59.2 286.88,40 SW61.1
Net-(D60-Pad2): length 18.7
  Top w1.27: D60.2 283.94,116.5 SW62.1 SW62.1

## Copper pours and planes (outline as drawn; the poured copper is in the pictures)
GND on Top: 313.5,0 0,0 0,133 313.5,133
GND on Bottom: 313.5,0 0,0 0,133 313.5,133
